# Altium PCB druino_uno_pcb.PcbDoc (part 2 of 3) (continued)
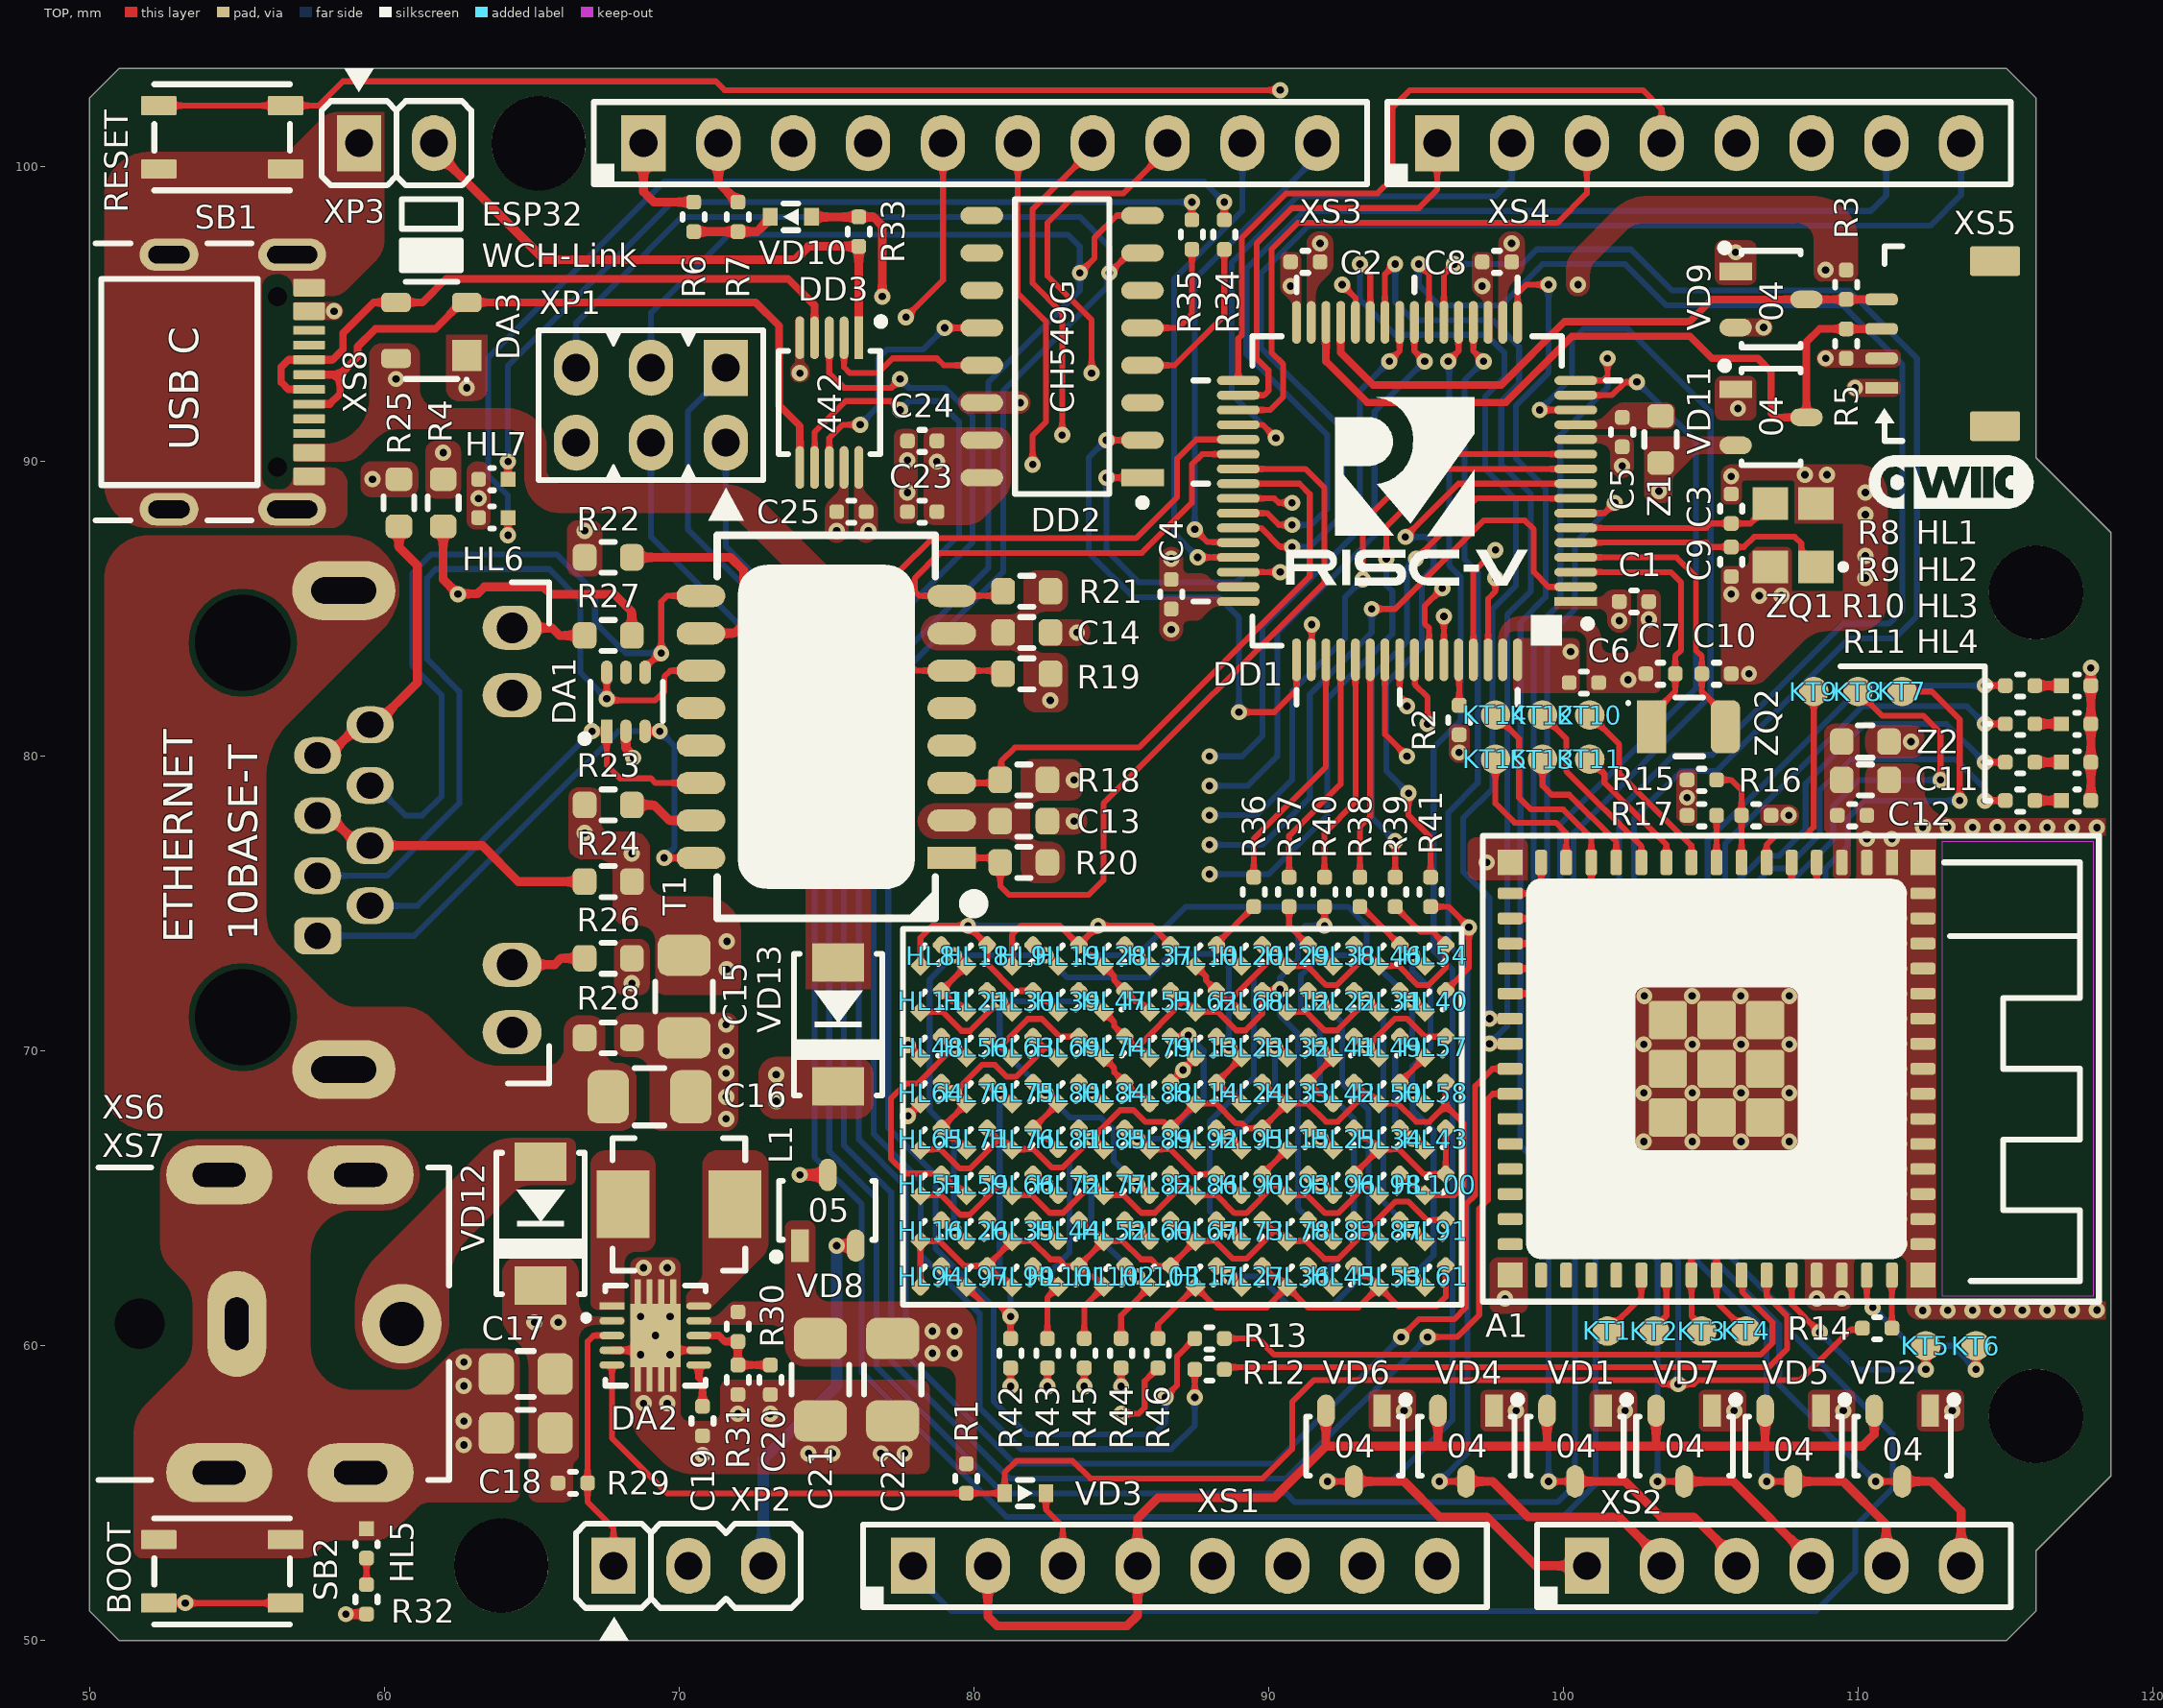
[diagram p0: TOP view]
## Nets (pads, with @x,y where several pads share a name; then routed paths per layer and width w, separated by ;. In a path a pad name is that pad's centre, name@x,y a point inside that pad or via, vN(x,y) a via of type N, cw(c..) or ccw(c..) an arc to the next point about the centre after c; other vN are vias at no path point) (continued)
  TOP w0.254: XS8.B6@57.45,91.95 58.15,91.95 58.5,92.3 58.5,92.95 ; XS8.A6@57.45,92.95 58.5,92.95 ; DD3.6@74.1,89.8 74.1,91.2 73.4,91.9 73.4,94.6 72.6,95.4 DA3.2@62.8,95.4 62.625,95.4 61.725,94.5 59.7,94.5 59.1,93.9 59.1,93.55 58.5,92.95
NetDA3_3: DA3.3 DD3.4 XS8.A7 XS8.B7 | length 22.9
  TOP w0.254: XS8.A7@57.448,92.452 56.748,92.452 56.5,92.7 56.502,92.702 56.502,93.202 56.75,93.45 XS8.B7@57.45,93.45 58.25,93.45 58.6,93.8 58.6,94.355 59.645,95.4 61.3,95.4 62.1,96.2 73.7,96.2 74.6,95.3 74.6,94.1 DD3.4@74.6,94.2
NetDD1_60: DD1.60 R2.1 | length 1.6
  TOP w0.2: DD1.60@96.45,83.275 96.469,83.256 R2.1@96.469,81.731
NetDD3_1: DD3.1 R33.2 XP3.2 | length 19.5
  TOP w0.3: XP3.2@61.684,100.8 61.684,100.6 65.434,96.85 73.95,96.85 74.4,97.3 R33.2@76.1,97.3 DD3.1@76.1,94.2
NetHL1_1: HL1.1 R8.1 | length 0.9
  TOP w0.3: R8.1@116,82.4 HL1.1@116.9,82.4
NetHL2_1: HL2.1 R9.1 | length 0.9
  TOP w0.3: R9.1@116,81.1 HL2.1@116.9,81.1
NetHL3_1: HL3.1 R10.1 | length 0.9
  TOP w0.3: R10.1@116,79.8 HL3.1@116.9,79.8
NetHL4_1: HL4.1 R11.1 | length 0.9
  TOP w0.3: R11.1@116,78.5 HL4.1@116.9,78.5
NetHL5_2: HL5.2 R32.1 | length 0.9
  TOP w0.2: R32.1@59.4,51.9 HL5.2@59.4,52.8
NetHL6_1: HL6.1 R34.1 | length 35.2
  TOP w0.2: v1(64.2,87.5) HL6.1@64.2,88.1 ; R34.1@88.5,98.2 v1(88.5,98.8)
  BOT w0.2: v1(64.2,87.5) 64.2,88.85 63.532,89.518 63.532,93.532 69.5,99.5 87.8,99.5 v1(88.5,98.8)
NetHL7_1: HL7.1 R35.1 | length 29.9
  TOP w0.2: HL7.1@64.2,89.4 v1(64.2,90) ; R35.1@87.4,98.2 v1(87.4,98.8)
  BOT w0.2: v1(64.2,90) 64.2,93.25 69.75,98.8 v1(87.4,98.8)
NetR6_1: R6.1 R7.1 VD10.1 | length 2.8
  TOP w0.3: R6.1@70.5,97.8 R7.1@72,97.8 72.65,97.8 73.1,98.25 VD10.1@73.1,98.3
NetR22_2: R22.2 T1.10 | length 7.4
  TOP w0.3: R22.2@68.4,86.75 71.75,86.75 72.2,86.3 72.2,84.5 71.875,84.175 T1.10@70.745,84.175
NetR23_2: R23.2 T1.15 | length 2.6
  TOP w0.3: R23.2@68.4,78.35 69.15,78.35 69.675,77.825 T1.15@70.745,77.825
NetR24_2: R24.2 XS6.4 XS6.5 | length 10
  TOP w0.3: XS6.5@57.74,77.99 58.12,77.99 59.14,76.97 XS6.4@59.52,76.97 63.33,76.97 64.55,75.75 R24.2@66.8,75.75
NetR25_2: R25.2 XS6.7 XS6.8 | length 10
  TOP w0.3: XS6.7@57.74,80.03 58.11,80.03 59.15,81.07 XS6.8@59.52,81.07 59.695,81.07 61.125,82.5 61.125,86.475 60.5,87.1 R25.2@60.5,87.8
NetR26_1: R26.1 XS6.10 | length 2.6
  TOP w0.3: XS6.10@64.34,72.93 65.78,72.93 66,73.15 R26.1@66.8,73.15
NetR27_1: R27.1 XS6.12 | length 2.6
  TOP w0.3: XS6.12@64.34,84.36 65.69,84.36 65.95,84.1 R27.1@66.8,84.1
NetVD3_1: VD3.1 XS1.3 | length 2.7
  TOP w0.2: VD3.1@82.45,55 82.45,54.45 83.02,53.88 XS1.3@83.02,52.54
POWER_OFF: DA2.3 R29.2 XP2.1 | length 8.9
  TOP w0.2: DA2.3@67.725,60.35 67.1,60.35 66.9,60.15 R29.2@66.9,55.35 66.9,54.7 67.78,53.82 XP2.1@67.78,52.54
QWIIC_SCL: DD1.29 R3.2 VD9.3 XS5.4 | length 21
  TOP w0.254: DD1.29@92.45,94.725 92.45,93.7 93.55,92.6 97.9,92.6 100.05,94.75 104.3,94.75 105.05,95.5 108.1,95.5 109.5,95.5 XS5.4@110.8,95.5
QWIIC_SDA: DD1.30 R5.2 VD11.3 XS5.3 | length 26.4
  TOP w0.254: DD1.30@91.95,94.725 91.95,93.4 93.35,92 98.05,92 100.3,94.25 104.3,94.25 105.05,93.5 106.6,93.5 107.05,93.05 107.05,91.65 107.2,91.5 VD11.3@108.25,91.5 108.25,94.05 108.7,94.5 109.5,94.5 XS5.3@110.8,94.5
RJ45_RX_N: DA1.4 T1.9 XS6.6 | length 25.7
  TOP w0.2: DA1.4@68.85,82.85 68.85,83 69.35,83.5 v1(69.4,83.5) 69.4,85.245 69.6,85.445 T1.9@70.745,85.445
  BOT w0.2: XS6.6@59.52,79.01 59.695,79.01 60.715,77.99 61.29,77.99 61.95,78.65 61.95,82.075 60.95,83.075 60.95,86.2 61.6,86.85 65.85,86.85 67.15,85.55 67.15,84.55 68.2,83.5 v1@69.2,83.5
RJ45_RX_P: DA1.6 T1.11 XS6.3 | length 28.2
  TOP w0.2: DA1.6@67.55,82.85 v1(67.55,81.95) 67.6,81.9 69.2,81.9 69.5,82.2 69.5,82.7 69.705,82.905 T1.11@70.745,82.905
  BOT w0.2: XS6.3@57.74,75.95 60.1,75.95 62.55,78.4 62.55,82.2 61.45,83.3 61.45,86.05 61.75,86.35 65.6,86.35 66.65,85.3 66.65,82.85 v1(67.55,81.95)
RJ45_TX_N: DA1.1 T1.14 XS6.2 | length 15.1
  TOP w0.2: v1(67.05,80.85) DA1.1@67.55,80.85 67.55,79.7 68,79.25 69.05,79.25 69.205,79.095 T1.14@70.745,79.095
  BOT w0.2: XS6.2@59.52,74.93 61.13,74.93 v1(67.05,80.85)
RJ45_TX_P: DA1.3 T1.16 XS6.1 | length 20.9
  TOP w0.2: DA1.3@68.85,80.85 v1(69.35,80.85) ; v1(69.5,76.555) T1.16@70.745,76.555
  BOT w0.2: XS6.1@57.74,73.91 61.01,73.91 67.95,80.85 v1(69.35,80.85) 69.85,80.35 69.85,76.905 v1(69.5,76.555)
ROW0: HL8.2 HL9.2 HL10.2 HL11.2 HL12.2 HL13.2 HL14.2 HL15.2 HL16.2 HL17.2 HL18.1 HL19.1 HL20.1 HL21.1 HL22.1 HL23.1 HL24.1 HL25.1 HL26.1 HL27.1 R36.1 | length 64.3
  TOP w0.2: HL16.2@78.9,64.266 79.254,63.913 v1(79.324,63.913) 79.395,63.913 HL26.1@79.749,63.559 ; HL8.2@78.9,73.6 v1@79.254,73.246 ; v1@79.395,73.246 HL18.1@79.749,72.893 HL11.2@78.9,72.044 79.254,71.691 79.395,71.691 HL21.1@79.749,71.337 ; HL9.2@82.011,73.6 v1@82.365,73.246 ; v1@82.506,73.246 HL19.1@82.86,72.893 ; HL17.2@88.234,62.71 88.587,62.357 v1(88.658,62.357) 88.729,62.357 HL27.1@89.082,62.003 ; HL13.2@88.234,70.489 88.587,70.135 v1(88.658,70.135) 88.729,70.135 HL23.1@89.082,69.782 HL14.2@88.234,68.933 88.587,68.579 88.729,68.579 HL24.1@89.082,68.226 ; HL10.2@88.234,73.6 88.587,73.246 v1(88.658,73.246) 88.729,73.246 HL20.1@89.082,72.893 ; HL10.2@88.234,73.634 R36.1@89.5,74.9 ; HL15.2@91.345,67.377 91.699,67.024 v1(91.769,67.024) 91.84,67.024 HL25.1@92.194,66.67 ; HL12.2@91.345,72.044 91.699,71.691 v1(91.769,71.691) 91.84,71.691 HL22.1@92.194,71.337
  PWR w0.2: v1(88.658,62.357) 90.5,64.199 90.5,65.755 v1(91.769,67.024) ; v1(88.658,73.246) 88.658,72.442 89.7,71.4 90.8,71.4 91.091,71.691 v1(91.769,71.691)
  BOT w0.2: v1(79.324,63.913) 79.324,67.176 78.5,68 78.5,72.422 v1(79.324,73.246) v1(82.436,73.246) 83.182,72.5 85.9,72.5 86.7,73.3 88.604,73.3 v1(88.658,73.246) v1(88.658,70.135) ; v1(88.658,62.357) 89.693,62.357 90.65,61.4 92.2,61.4 93.4,62.6 93.4,68 92.5,68.9 92.5,70.96 v1(91.769,71.691)
ROW1: HL8.1 HL18.2 HL28.2 HL29.2 HL30.2 HL31.2 HL32.2 HL33.2 HL34.2 HL35.2 HL36.2 HL37.1 HL38.1 HL39.1 HL40.1 HL41.1 HL42.1 HL43.1 HL44.1 HL45.1 R37.1 | length 67.5
  TOP w0.2: HL8.1@78.193,72.893 78.193,73.843 78.6,74.25 v1(79.806,74.25) HL18.2@80.456,73.6 80.456,72.964 81.375,72.044 HL30.2@82.011,72.044 82.365,71.691 82.506,71.691 HL39.1@82.86,71.337 ; HL35.2@82.011,64.266 82.365,63.913 82.506,63.913 HL44.1@82.86,63.559 ; HL28.2@85.123,73.6 85.476,73.246 v1(85.547,73.246) 85.618,73.246 HL37.1@85.971,72.893 ; R37.1@90.7,74.9 90.7,74.245 HL29.2@91.345,73.6 91.699,73.246 v1(91.769,73.246) 91.84,73.246 HL38.1@92.194,72.893 ; HL36.2@91.345,62.71 91.699,62.357 v1(91.769,62.357) 91.84,62.357 HL45.1@92.193,62.003 ; HL32.2@91.345,70.489 91.699,70.135 91.734,70.1 v1(91.75,70.1) 91.805,70.1 91.84,70.135 HL41.1@92.194,69.782 HL33.2@91.345,68.933 91.699,68.579 91.84,68.579 HL42.1@92.194,68.226 ; HL34.2@94.456,67.377 94.496,67.377 94.845,67.028 v1(94.885,67.028) ; HL31.2@94.456,72.044 94.81,71.691 v1(94.881,71.691) 94.951,71.691 HL40.1@95.305,71.337 ; v1@94.881,67.024 94.951,67.024 HL43.1@95.305,66.67
  PWR w0.2: v1(82.435,63.913) 85.248,61.1 90.512,61.1 v1(91.769,62.357)
  BOT w0.2: v1(79.806,74.25) 82.95,74.25 83.954,73.246 v1(85.547,73.246) 87.2,74.9 92.7,74.9 93.325,74.275 93.325,73.246 ; v1(91.769,62.357) 92.9,63.488 92.9,67.7 91.75,68.85 v1(91.75,70.1) 91.75,70.85 91.1,71.5 91.1,72.577 v1(91.769,73.246) 93.325,73.246 ; v1(94.885,67.028) 94.3,67.613 94.3,69.8 94.881,70.381 v1(94.881,71.691) 93.325,73.246
ROW2: HL9.1 HL19.2 HL28.1 HL37.2 HL46.2 HL47.2 HL48.2 HL49.2 HL50.2 HL51.2 HL52.2 HL53.2 HL54.1 HL55.1 HL56.1 HL57.1 HL58.1 HL59.1 HL60.1 HL61.1 R38.1 | length 74.5
  TOP w0.2: HL48.2@78.9,70.489 v1@79.254,70.135 ; v1(79.324,70.135) 78.089,68.9 77.7,68.9 77.19,68.39 77.19,66.36 77.7,65.85 78.681,65.85 78.71,65.822 HL51.2@78.9,65.822 79.254,65.468 79.395,65.468 HL59.1@79.749,65.115 ; v1@79.395,70.135 HL56.1@79.749,69.782 ; HL9.1@81.304,72.893 81.304,73.954 81.6,74.25 82.917,74.25 HL19.2@83.567,73.6 ; HL52.2@85.122,64.266 85.476,63.913 85.617,63.913 HL60.1@85.971,63.559 ; HL55.1@85.971,71.337 85.618,71.691 85.476,71.691 HL47.2@85.123,72.044 84.769,72.398 84.769,72.539 HL28.1@84.415,72.893 84.062,73.246 83.92,73.246 HL19.2@83.567,73.6 ; HL37.2@86.678,73.6 86.028,74.25 v1(84.217,74.25) HL19.2@83.567,73.6 ; R38.1@93.1,74.9 93.156,74.9 HL46.2@94.456,73.6 94.81,73.246 94.951,73.246 HL54.1@95.305,72.893 ; HL53.2@94.456,62.71 94.81,62.357 94.951,62.357 HL61.1@95.305,62.003 ; HL49.2@94.456,70.489 94.81,70.135 94.951,70.135 HL57.1@95.305,69.782 HL50.2@94.456,68.933 94.81,68.579 v1(94.881,68.579) 94.951,68.579 HL58.1@95.305,68.226
  PWR w0.2: v1(79.324,70.135) 79.324,69.524 78.6,68.8 78.6,68 81.9,64.7 82.9,64.7 83.687,63.913 v1(85.547,63.913) 87.859,61.6 90,61.6 91.5,63.1 94.137,63.1 v1(94.88,62.357) ; v1(84.217,74.25) 89.15,74.25 89.9,75 93.127,75 v1(94.881,73.246)
  BOT w0.2: v1(94.88,62.357) 95.6,63.076 95.6,67.3 94.896,68.004 94.896,68.564 v1(94.881,68.579) 94.881,69.481 95.5,70.1 95.5,72.1 94.881,72.719 v1(94.881,73.246)
ROW3: HL10.1 HL20.2 HL29.1 HL38.2 HL46.1 HL54.2 HL62.2 HL63.2 HL64.2 HL65.2 HL66.2 HL67.2 HL68.1 HL69.1 HL70.1 HL71.1 HL72.1 HL73.1 R39.1 | length 48.8
  TOP w0.2: HL64.2@78.9,68.933 79.254,68.58 v1(79.324,68.58) ; v1@79.419,68.58 v1@79.395,68.58 ; HL71.1@79.749,66.67 79.395,67.024 79.254,67.024 HL65.2@78.9,67.377 HL70.1@79.749,68.226 v1@79.395,68.58 ; HL66.2@82.011,65.822 82.365,65.468 v1(82.436,65.468) 82.506,65.468 HL72.1@82.86,65.115 ; HL63.2@82.011,70.489 82.365,70.135 82.436,70.135 ; HL69.1@82.86,69.782 82.506,70.135 82.436,70.135 ; HL10.1@87.527,72.893 87.88,72.539 87.88,72.398 HL62.2@88.234,72.044 88.587,71.691 88.658,71.691 ; HL67.2@88.234,64.266 88.587,63.913 v1(88.658,63.913) 88.729,63.913 HL73.1@89.082,63.559 ; HL68.1@89.082,71.337 88.729,71.691 88.658,71.691 ; HL20.2@89.789,73.6 90.143,73.246 v1(90.214,73.246) ; HL38.2@92.901,73.6 93.254,73.246 93.325,73.246 ; R39.1@94.3,74.9 95.15,74.05 95.562,74.05 HL54.2@96.012,73.6 96.012,72.822 95.429,72.239 95.061,72.239 94.407,72.893 HL46.1@93.749,72.893 93.396,73.246 93.325,73.246 ; v1(79.324,68.58) v1@79.395,68.58 ; v1(79.324,68.58) 80.28,69.535 80.715,69.535 81.122,69.128 81.428,69.128 82.436,70.135 ; 88.658,71.691 v1(90.214,73.246) ; v1(90.214,73.246) 90.284,73.246 HL29.1@90.638,72.893 91.307,72.893 91.961,72.239 92.318,72.239 93.325,73.246
  PWR w0.2: v1(79.324,68.58) 80.104,67.8 v1(82.436,65.468) 82.932,65.468 83.7,64.7 87.871,64.7 v1(88.658,63.913)
  BOT w0.2: v1(88.658,63.913) 88,64.571 88,67.6 89.5,69.1 89.5,72.533 v1(90.214,73.246)
ROW4: HL11.1 HL21.2 HL30.1 HL39.2 HL47.1 HL55.2 HL62.1 HL68.2 HL74.2 HL75.2 HL76.2 HL77.2 HL78.2 HL79.1 HL80.1 HL81.1 HL82.1 HL83.1 R40.1 | length 45.5
  TOP w0.2: HL11.1@78.193,71.337 78.935,71.337 79.589,70.684 79.873,70.684 v1(80.88,71.691) ; HL21.2@80.456,72.044 v1@80.809,71.691 ; v1@80.951,71.691 HL30.1@81.304,71.337 ; HL75.2@82.011,68.933 82.365,68.58 v1(82.436,68.58) 82.506,68.58 HL80.1@82.86,68.226 HL76.2@82.011,67.377 82.365,67.024 82.506,67.024 HL81.1@82.86,66.67 ; HL39.2@83.567,72.044 83.92,71.691 v1(83.991,71.691) 84.062,71.691 HL47.1@84.415,71.337 84.769,70.984 84.769,70.842 HL74.2@85.123,70.489 85.476,70.135 85.547,70.135 ; HL77.2@85.122,65.822 85.476,65.468 v1(85.547,65.468) 85.617,65.468 HL82.1@85.971,65.115 ; HL79.1@85.971,69.782 85.617,70.135 85.547,70.135 ; HL55.2@86.678,72.044 87.032,71.691 87.102,71.691 ; v1@90.394,72.044 HL68.2@89.789,72.044 89.789,71.267 89.223,70.7 88.906,70.7 88.269,71.337 HL62.1@87.527,71.337 87.173,71.691 87.102,71.691 ; HL78.2@91.345,64.266 91.699,63.913 v1(91.769,63.913) 91.84,63.913 HL83.1@92.193,63.559 ; v1(91.9,74.25) R40.1@91.9,74.9 ; 85.547,70.135 87.102,71.691
  BOT w0.2: v1(83.991,71.691) v1(80.88,71.691) 80.88,70.135 v1(82.436,68.58) 83.265,67.75 84.3,67.75 84.75,67.3 84.75,66.265 v1(85.547,65.468) ; v1@90.394,72.044 90.394,72.494 91,73.1 91,74 91.25,74.25 v1(91.9,74.25) ; v1(90.394,72.094) 90.394,71.206 91,70.6 91,64.682 v1(91.769,63.913)
ROW5: HL12.1 HL22.2 HL31.1 HL40.2 HL48.1 HL56.2 HL63.1 HL69.2 HL74.1 HL79.2 HL84.2 HL85.2 HL86.2 HL87.2 HL88.1 HL89.1 HL90.1 HL91.1 R41.1 | length 60.1
  TOP w0.2: v1(77.765,70.209) HL48.1@78.193,69.782 ; HL56.2@80.456,70.489 80.809,70.135 80.88,70.135 ; HL63.1@81.304,69.782 80.951,70.135 80.88,70.135 ; v1@83.92,70.135 HL69.2@83.567,70.489 82.911,70.489 82.309,71.091 81.835,71.091 81.795,71.05 80.88,70.135 ; v1@84.062,70.135 HL74.1@84.415,69.782 84.769,69.428 84.769,69.287 HL84.2@85.123,68.933 85.476,68.58 85.617,68.58 HL88.1@85.971,68.226 ; HL85.2@85.123,67.377 v1@85.476,67.024 ; v1@85.617,67.024 HL89.1@85.971,66.67 86.68,66.67 87.528,65.822 HL86.2@88.234,65.822 88.587,65.468 88.729,65.468 HL90.1@89.082,65.115 ; HL79.2@86.678,70.489 v1@87.283,70.489 ; HL12.1@90.638,71.337 91.274,71.337 91.912,70.7 92.334,70.7 v1(93.325,71.691) 93.396,71.691 HL31.1@93.749,71.337 ; HL22.2@92.901,72.044 93.254,71.691 v1@93.291,71.691 ; HL87.2@94.456,64.266 94.81,63.912 94.951,63.912 HL91.1@95.305,63.559 ; R41.1@95.5,74.9 96.1,74.9 v1(96.8,74.2) 96.8,72.832 HL40.2@96.012,72.044
  PWR w0.2: v1(77.765,70.209) 79.856,72.3 81.826,72.3 v1(83.991,70.135) 86.883,70.135 87.647,70.9 92,70.9 92.75,71.65 93.284,71.65 v1(93.325,71.691) 93.791,71.691 94.5,72.4 96.1,72.4 96.8,73.1 v1(96.8,74.2)
  BOT w0.2: v1(85.547,67.024) 86.424,67.024 87.8,68.4 87.8,70.022 v1(87.283,70.539) ; v1(93.325,71.691) 93.9,71.116 93.9,64.893 v1(94.88,63.913)
ROW6: HL13.1 HL23.2 HL32.1 HL41.2 HL49.1 HL57.2 HL64.1 HL70.2 HL75.1 HL80.2 HL84.1 HL88.2 HL92.2 HL93.2 HL94.2 HL95.1 HL96.1 HL97.1 R42.1 | length 54.9
  TOP w0.2: v1(77.765,67.798) HL64.1@78.193,68.226 ; HL94.2@78.9,62.711 79.254,62.357 79.395,62.357 HL97.1@79.748,62.003 80.352,61.4 80.85,61.4 v1(81.25,61) R42.1@81.25,60.25 ; HL70.2@80.456,68.933 80.809,68.58 v1(80.88,68.58) 80.951,68.58 HL75.1@81.304,68.226 ; HL80.2@83.567,68.933 83.92,68.58 v1(83.991,68.58) 84.062,68.58 HL84.1@84.415,68.226 ; HL88.2@86.678,68.933 v1(87.102,69.357) HL13.1@87.527,69.782 ; HL92.2@88.234,67.377 88.587,67.024 v1(88.658,67.024) 88.729,67.024 HL95.1@89.082,66.67 ; HL23.2@89.789,70.489 90.143,70.135 v1(90.214,70.135) 90.284,70.135 HL32.1@90.638,69.782 ; HL93.2@91.345,65.822 91.699,65.468 v1(91.769,65.468) 91.84,65.468 HL96.1@92.194,65.115 ; HL41.2@92.901,70.489 93.254,70.135 v1(93.325,70.135) ; HL49.1@93.749,69.782 93.396,70.135 v1(93.325,70.135) ; HL57.2@96.012,70.489 95.311,70.489 94.7,71.1 94.29,71.1 v1(93.325,70.135)
  PWR w0.2: v1(77.765,67.798) 77.8,67.833 77.8,68.7 78.5,69.4 78.5,70.379 79.121,71 80.3,71 80.88,70.42 v1(80.88,68.58) 81.459,68 83.412,68 v1(83.991,68.58) 86.325,68.58 v1(87.102,69.357) 88.8,69.357 89.578,70.135 v1(90.214,70.135) 90.949,69.4 92.1,69.4 92.835,70.135 v1(93.325,70.135) 94,69.46 94,67.699 v1(91.769,65.468)
  BOT w0.2: v1(80.88,68.58) 80.88,62.32 81.25,61.95 v1(81.25,61) ; v1(88.658,67.024) 90.214,68.579 v1(90.214,70.135)
ROW7: HL14.1 HL24.2 HL33.1 HL42.2 HL50.1 HL58.2 HL65.1 HL71.2 HL76.1 HL81.2 HL85.1 HL89.2 HL92.1 HL95.2 HL98.2 HL99.2 HL100.1 HL101.1 R43.1 | length 41.6
  TOP w0.2: HL65.1@78.193,66.67 78.88,66.67 79.533,66.017 79.873,66.017 80.88,67.024 ; HL71.2@80.456,67.377 80.809,67.024 80.88,67.024 ; HL99.2@82.011,62.711 82.365,62.357 v1(82.435,62.357) 82.506,62.357 HL101.1@82.86,62.003 82.5,61.644 R43.1@82.5,60.25 ; HL81.2@83.567,67.377 83.92,67.024 v1(83.991,67.024) ; HL85.1@84.415,66.67 84.062,67.024 v1(83.991,67.024) ; HL92.1@87.527,66.67 87.173,67.024 87.032,67.024 HL89.2@86.678,67.377 ; HL24.2@89.789,68.933 90.143,68.579 90.284,68.579 HL33.1@90.638,68.226 ; HL42.2@92.901,68.933 93.254,68.579 93.325,68.579 ; HL98.2@94.456,65.822 94.81,65.468 94.951,65.468 HL100.1@95.305,65.115 96.315,65.115 96.614,65.414 96.614,67.553 96.012,68.155 ; HL58.2@96.012,68.933 96.012,68.155 ; 80.88,67.024 80.951,67.024 HL76.1@81.304,66.67 82.03,66.67 82.65,66.05 83.017,66.05 v1(83.991,67.024) ; v1(83.991,67.024) 84.967,68 85.419,68 85.819,67.6 86.456,67.6 HL89.2@86.678,67.377 ; HL89.2@86.678,67.377 HL14.1@87.527,68.226 88.224,68.226 88.9,67.55 89.1,67.55 89.273,67.377 HL95.2@89.789,67.377 HL33.1@90.638,68.226 ; HL33.1@90.638,68.226 91.324,68.226 91.95,67.6 92.345,67.6 93.325,68.579 ; 93.325,68.579 93.396,68.579 HL50.1@93.749,68.226 94.386,68.226 95.011,67.6 95.457,67.6 96.012,68.155
  BOT w0.2: v1(82.435,62.357) 83.25,63.171 83.25,66.283 v1(83.991,67.024)
ROW8: HL15.1 HL25.2 HL34.1 HL43.2 HL51.1 HL59.2 HL66.1 HL72.2 HL77.1 HL82.2 HL86.1 HL90.2 HL93.1 HL96.2 HL98.1 HL100.2 HL102.2 HL103.1 R44.1 | length 37.1
  TOP w0.2: HL51.1@78.193,65.115 78.885,65.115 79.55,64.45 79.862,64.45 80.88,65.468 80.951,65.468 HL66.1@81.304,65.115 81.976,65.115 82.578,64.513 83.036,64.513 v1(83.991,65.468) ; HL59.2@80.456,65.822 80.809,65.468 ; HL72.2@83.567,65.822 83.92,65.468 v1(83.991,65.468) ; R44.1@85,60.25 85,61.032 HL103.1@85.971,62.003 85.617,62.357 v1(85.547,62.357) 85.476,62.357 HL102.2@85.122,62.71 ; HL82.2@86.678,65.822 87.032,65.468 87.102,65.468 ; HL15.1@90.638,66.67 HL90.2@89.789,65.822 90.143,65.468 90.214,65.468 ; HL25.2@92.901,67.377 93.254,67.024 93.396,67.024 HL34.1@93.749,66.67 ; HL98.1@93.749,65.115 93.396,65.468 93.325,65.468 ; HL43.2@96.012,67.377 HL100.2@96.012,65.822 95.278,65.822 94.43,66.67 HL34.1@93.749,66.67 ; v1(83.991,65.468) 84.062,65.468 HL77.1@84.415,65.115 85.085,65.115 85.687,64.513 86.147,64.513 87.102,65.468 ; 87.102,65.468 87.173,65.468 HL86.1@87.527,65.115 88.235,65.115 88.85,64.5 89.245,64.5 90.214,65.468 ; 90.214,65.468 90.284,65.468 HL93.1@90.638,65.115 91.31,65.115 91.924,64.5 92.357,64.5 93.325,65.468 ; 93.325,65.468 93.254,65.468 HL96.2@92.901,65.822 HL34.1@93.749,66.67
  BOT w0.2: v1(83.991,65.468) 83.991,63.913 v1(85.547,62.357)
ROW9: HL16.1 HL26.2 HL35.1 HL44.2 HL52.1 HL60.2 HL67.1 HL73.2 HL78.1 HL83.2 HL87.1 HL91.2 HL94.1 HL97.2 HL99.1 HL101.2 HL102.1 HL103.2 R45.1 | length 33
  TOP w0.2: HL94.1@78.193,62.003 78.193,62.216 HL16.1@78.193,63.559 78.841,63.559 79.689,62.711 HL97.2@80.456,62.711 ; HL26.2@80.456,64.266 80.809,63.913 80.951,63.913 HL35.1@81.304,63.559 ; HL99.1@81.304,62.003 80.951,62.357 80.809,62.357 HL97.2@80.456,62.711 ; HL44.2@83.567,64.266 83.92,63.913 84.062,63.913 HL52.1@84.415,63.559 ; R45.1@83.75,60.25 83.75,61.338 HL102.1@84.415,62.003 84.062,62.357 83.92,62.357 HL101.2@83.567,62.71 ; HL60.2@86.678,64.266 87.032,63.913 87.173,63.913 HL67.1@87.527,63.559 ; HL73.2@89.789,64.266 90.143,63.913 90.284,63.913 HL78.1@90.638,63.559 91.291,63.559 91.9,62.95 92.362,62.95 93.325,63.913 ; 90.214,63.913 89.258,62.957 88.793,62.957 88.191,63.559 HL67.1@87.527,63.559 ; HL83.2@92.901,64.266 93.254,63.913 93.325,63.913 ; HL87.1@93.749,63.559 93.396,63.913 93.325,63.913 ; HL91.2@96.012,64.266 95.375,64.266 94.742,64.9 94.312,64.9 93.325,63.913 ; HL97.2@80.456,62.711 HL35.1@81.304,63.559 ; HL35.1@81.304,63.559 81.976,63.559 82.603,62.932 82.898,62.932 83.119,62.71 HL101.2@83.567,62.71 ; HL101.2@83.567,62.71 HL52.1@84.415,63.559 ; HL52.1@84.415,63.559 85.052,63.559 85.679,62.932 86.018,62.932 86.24,62.71 HL103.2@86.678,62.71 HL67.1@87.527,63.559
ROW10: HL17.1 HL27.2 HL36.1 HL45.2 HL53.1 HL61.2 R46.1 | length 15.7
  TOP w0.2: R46.1@86.25,60.25 86.25,60.727 HL17.1@87.527,62.003 88.23,61.3 89.935,61.3 HL36.1@90.638,62.003 ; HL27.2@89.789,62.71 90.143,62.357 90.284,62.357 HL36.1@90.638,62.003 ; HL45.2@92.901,62.71 93.254,62.357 93.396,62.357 HL53.1@93.749,62.003 ; HL61.2@96.012,62.71 96.012,61.662 95.7,61.35 94.403,61.35 HL53.1@93.749,62.003 ; HL36.1@90.638,62.003 91.341,61.3 93.046,61.3 HL53.1@93.749,62.003
USER_IO_15: A1.19 DD1.22 | length 52.1
  TOP w0.2: DD1.22@95.95,94.725 95.95,96.35 v1(96.3,96.7) ; A1.19@98.2,72.8 98.9,72.8 100.6,71.1 v1(101.825,71.1)
  BOT w0.2: v1(96.3,96.7) 98.6,96.7 99.1,97.2 102.3,97.2 103.7,95.8 109.7,95.8 112,93.5 112,84.75 111.25,84 109.7,84 105.2,79.5 104,79.5 102.4,77.9 102.4,73.6 101.8,73 101.8,71.125 v1(101.825,71.1)
USER_IO_16: A1.20 DD1.23 | length 56.6
  TOP w0.2: v1(95.1,96.7) 95.45,96.35 DD1.23@95.45,94.725 ; A1.20@98.2,71.95 98.85,71.95 100,70.8 100,70 100.6,69.4 v1@101.7,69.4
  BOT w0.2: v1(95.1,96.7) 95.1,96 95.8,95.3 97.9,95.3 99.3,96.7 102.1,96.7 103.5,95.3 109.5,95.3 111.5,93.3 111.5,84.95 111.05,84.5 109.5,84.5 105.05,80.05 103.75,80.05 101.9,78.2 101.9,73.8 101.25,73.15 101.25,70.51 101.785,69.975 101.785,69.415 v1(101.8,69.4)
VBUS: DA3.4 VD13.2 XS8.A4 XS8.B4
  other v1: 60.4,92.8 58.3,95.1
VCC_3V3: C2.1 C4.1 C6.1 C8.1 C13.2 C14.2 C21.2 C22.2 C23.1 C24.1 C25.1 DA2.9 DD1.19 DD1.32 DD1.48 DD1.64 DD2.15 DD2.16 DD3.10 HL1.2 HL2.2 HL3.2 HL4.2 HL6.2 HL7.2 R1.1 R3.1 R5.1 R15.1 R17.1 R18.2 R19.1 R20.2 R21.1 R30.1 R32.2 R33.1 T1.2 T1.7 VD1.2 VD2.2 VD4.2 VD5.2 VD6.2 VD7.2 VD8.1 VD9.2 VD10.2 VD11.2 XS1.2 XS1.4 XS5.2 Z1.1 Z2.2 | length 53.2
  TOP w0.3: v1(58.7,50.9) R32.2@59.4,50.9 ; VD10.2@74.5,98.3 R33.1@76.1,98.3 76.6,98.3 76.9,98 v1(76.9,95.6) ; XS1.2@80.48,52.54 80.48,50.82 80.8,50.5 85.2,50.5 85.56,50.86 XS1.4@85.56,52.54 85.56,54.16 86.25,54.85 90.2,54.85 91.95,56.6 110.149,56.6 110.55,57.001 VD2.2@110.55,57.8 ; 91.95,56.65 VD6.2@91.95,57.8 ; 95.75,56.65 VD4.2@95.75,57.8 ; 99.45,56.65 VD1.2@99.45,57.8 ; 103.15,56.65 VD7.2@103.15,57.8 ; 106.85,56.65 VD5.2@106.85,57.8 ; HL4.2@117.9,78.5 HL3.2@117.9,79.8 HL2.2@117.9,81.1 HL1.2@117.9,82.4 v1(117.9,83)
  other v1: 78.6,59.75 79.35,59.75 78.6,60.5 79.35,60.5 104.2,78.6 83.4,79.2 111.8,80.5 82.6,81.9 100.25,83.55 86.7,84.3 76.425,87.65 63.2,88.75 103.25,89 78.75,90 108.902,93.5 106.8,94.55 90.75,95.95 97.25,95.95 100.5,96 108.9,96.5
VCC_BAT: VD8.2 XP2.3 | length 12.5
  TOP w0.4: v1(75.35,63.4) VD8.2@76,63.4
  BOT w0.4: XP2.3@72.86,52.54 72.86,56.16 75.35,58.65 v1(75.35,63.4)
VCC_IN: VD12.2 XS1.8 XS7.4
VCC_SYS: C17.2 C18.2 DA2.2 R29.1 VD12.1 VD13.1
  other v1: 65.095,60.8 65.905,60.8 73.3,68.3 73.3,69.2
WCH_LINK_RX: DD2.7 R13.1 XP1.5 | length 76.4
  TOP w0.2: v1(84.6,96.4) 84.613,96.4 85.287,97.075 DD2.7@85.725,97.075 ; v1(86.5,58.25) 86.5,58.263 86.9,58.663 86.9,59.65 R13.1@87.5,60.25
  BOT w0.2: XP1.5@66.51,93.18 66.51,94.71 67.8,96 70.1,98.3 83.6,98.3 84.6,97.3 v1(84.6,96.4) 84.543,96.343 84.543,95.943 81,92.4 81,86.25 77.1,82.35 77.1,67.4 78.7,65.8 78.7,63.3 80.675,61.325 80.675,58.125 81.8,57 86.1,57 86.5,57.4 v1(86.5,58.25)
WCH_LINK_TX: DD2.8 R12.1 XP1.3 | length 74.9
  TOP w0.2: v1(83.6,96.4) 84.1,96.9 84.1,97.6 84.845,98.345 DD2.8@85.725,98.345 ; v1(87.5,58.25) R12.1@87.5,59.2
  BOT w0.2: XP1.3@69.05,93.18 69.05,95.05 71.7,97.7 83.2,97.7 83.6,97.3 v1(83.6,96.4) 83.6,95.8 80.5,92.7 80.5,86.4 76.6,82.5 76.6,67.2 78.2,65.6 78.2,63.1 80.2,61.1 80.2,57.9 81.6,56.5 86.7,56.5 87.5,57.3 v1(87.5,58.25)
WCH_LINK_USB_N: DD2.13 DD3.2 | length 6.1
  TOP w0.2: DD3.2@75.6,94.2 75.6,93.2 75.8,93 76.75,93 77.25,93.5 78.75,93.5 78.985,93.265 DD2.13@80.275,93.265
WCH_LINK_USB_P: DD2.12 DD3.8 | length 8.7
  TOP w0.2: DD3.8@75.1,89.8 75.1,90.8 75.55,91.25 v1(76.15,91.25) ; v1(79.015,94.535) DD2.12@80.275,94.535
  BOT w0.2: v1(76.15,91.25) 76.75,91.85 76.75,93.5 77.05,93.8 78.28,93.8 v1(79.015,94.535)
XTAL_8M_IN: C9.1 DD1.5 ZQ1.1 | length 9
  TOP w0.2: DD1.5@100.425,87.25 104.85,87.25 105,87.1 C9.1@105.7,87.1 106.126,87.1 106.476,87.45 107.85,87.45 108.075,87.225 108.075,86.875 108.525,86.425 ZQ1.1@108.575,86.425
XTAL_8M_OUT: C3.1 DD1.6 ZQ1.3 | length 7
  TOP w0.2: DD1.6@100.425,87.75 104.85,87.75 105,87.9 C3.1@105.7,87.9 106.35,87.9 106.525,88.075 106.525,88.125 106.975,88.575 ZQ1.3@107.025,88.575
XTAL_32K_IN: C7.2 DD1.3 ZQ2.1 | length 9
  TOP w0.2: DD1.3@100.425,86.25 103.65,86.25 104,85.9 104,83.6 103.8,83.4 103.8,82.2 103,81.4 ZQ2.1@103,81